# Altium PCB PCB.PcbDoc (continued)
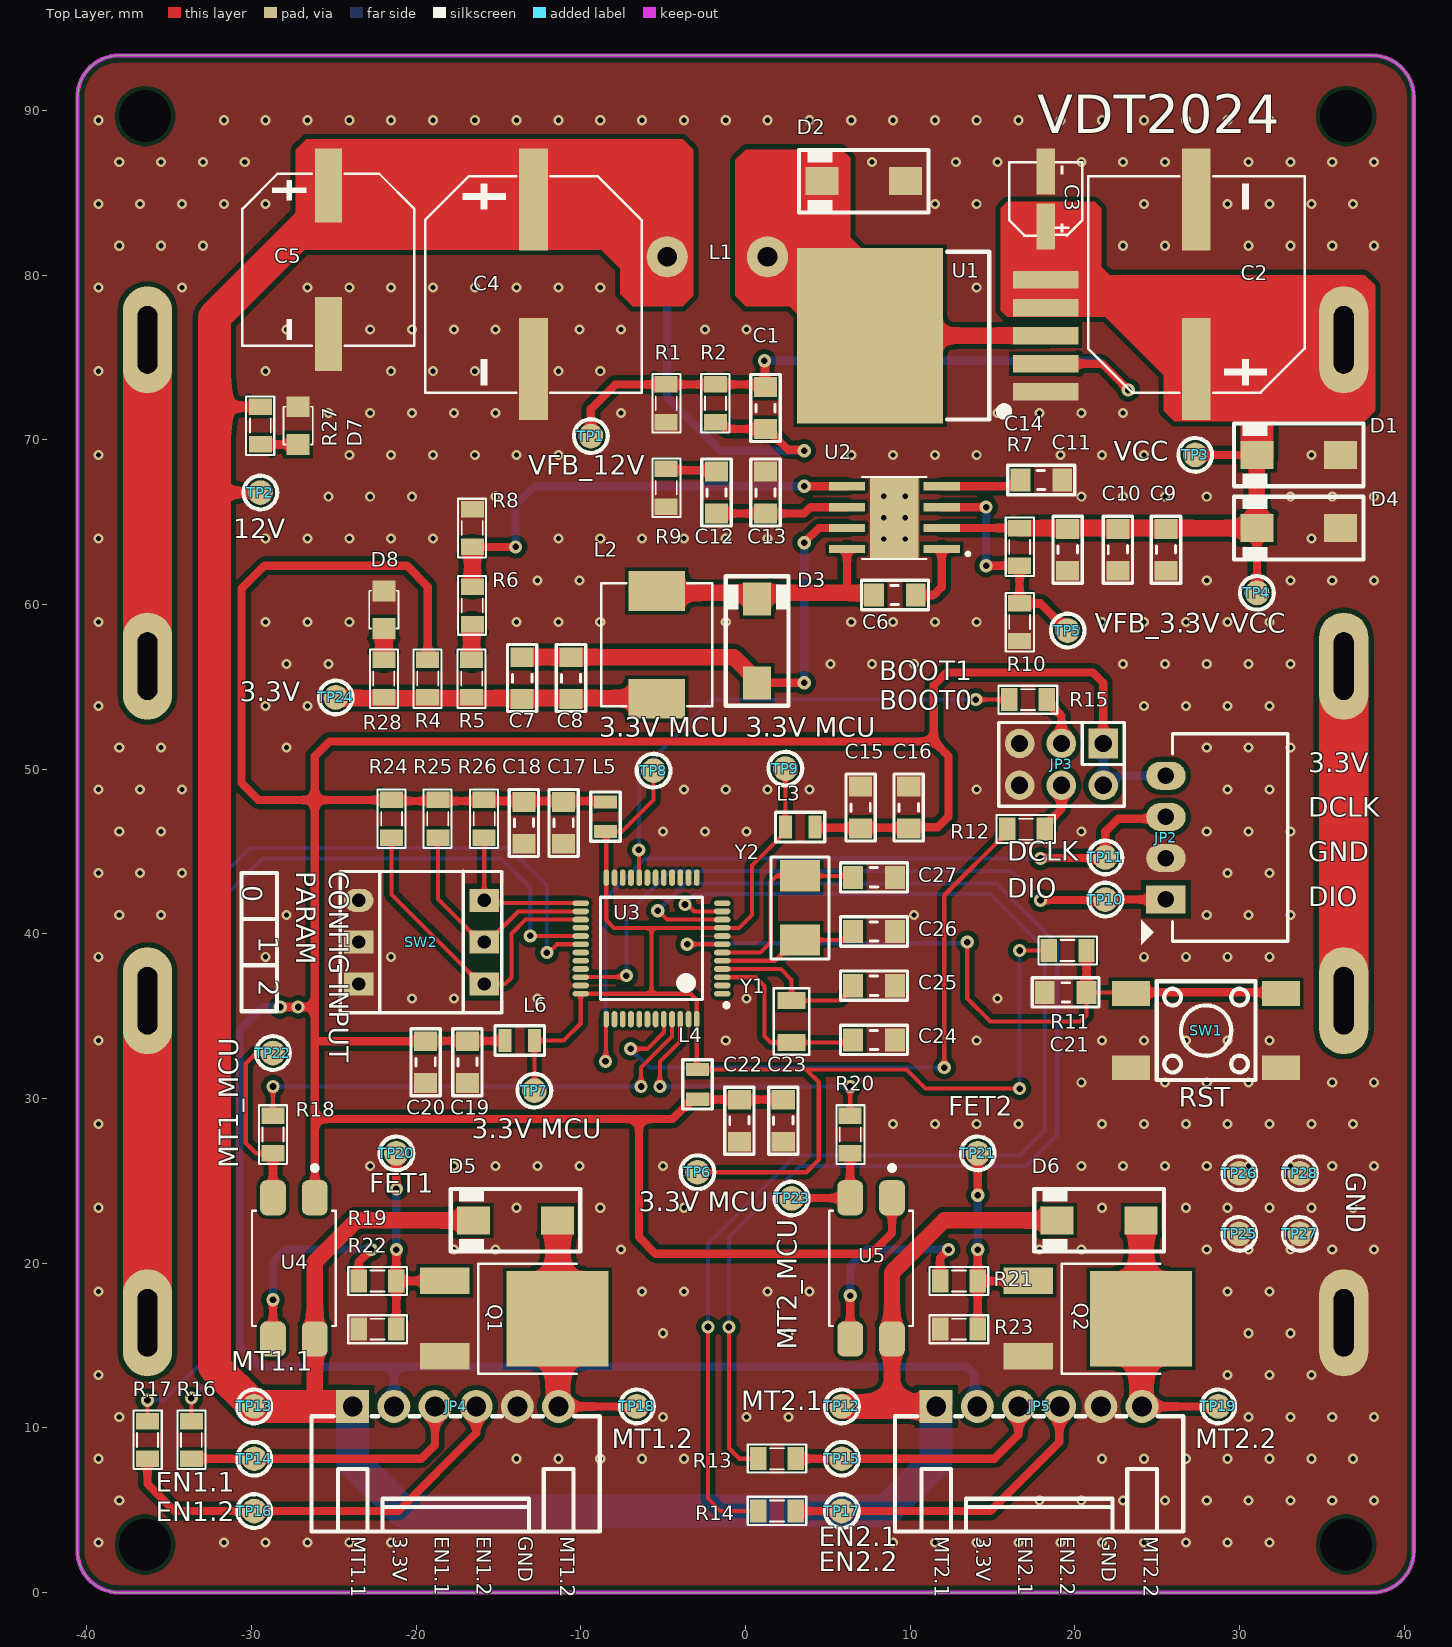
[diagram p0: Top Layer view]
## Part data
C1: library part C0805_MLCC_33pF_50V, "33 pF ±10% 50V Ceramic Capacitor C0G, NP0 0805 (2012 Metric)", Manufacture Part Number=C0805C330K5GAC7800, Manufacturer=KEMET, Link=https://www.digikey.com/en/products/detail/kemet/C0805C330K5GAC7800/2212525, Packaging="Cut Tape (CT)", Price=$0.10, Size=0805
C2 C4: library part C_ALU_470uF_50V, "470uF 50V ±20% SMD,D12.5xL13.5mm Aluminum Electrolytic Capacitors - SMD ROHS", Manufacture Part Number=VT1H471MI135000CE0, Manufacturer="Changzhou Huawei Elec", Link=https://www.lcsc.com/product-detail/Aluminum-Electrolytic-Capacitors-SMD_Changzhou-Huawei-Elec-VT1H471MI135000CE0_C191227.html, Price="$ 0.36"
C3: library part C_ALU_1uF_50V_B, "1uF 50V 7mA@120Hz ±20% SMD,D4xL5.4mm Aluminum Electrolytic Capacitors - SMD ROHS", Manufacture Part Number=RST1UF50V017, Manufacturer=KNSCHA, Link=https://www.lcsc.com/product-detail/Aluminum-Electrolytic-Capacitors-SMD_KNSCHA-RST1UF50V017_C4747972.html, Packaging="Cut Tape", Price="$ 0.0209"
C5: library part C_ALU_220uF_50V_G, "220uF 50V 220mA@120Hz ±20% SMD,D10xL10.5mm Aluminum Electrolytic Capacitors - SMD ROHS", Manufacture Part Number=XT220UF50V90RV0078, Manufacturer=KNSCHA, Link=https://www.lcsc.com/product-detail/Aluminum-Electrolytic-Capacitors-SMD_KNSCHA-XT220UF50V90RV0078_C2992609.html, Packaging="Cut Tape (CT)", Price="$ 0.1071"
C6 C15 C17 C19 C21 C22: library part C0805_MLCC_100nF_50V, "0.1 µF ±10% 50V Ceramic Capacitor X7R 0805 (2012 Metric)", Manufacture Part Number=CC0805KRX7R9BB104, Manufacturer=YAGEO, Link=https://www.digikey.cn/en/products/detail/yageo/CC0805KRX7R9BB104/302874, Packaging="Cut Tape (CT)", Price=$0.10, Size=0805
C7 C8: library part C0805_MLCC_47uF_16V, "47 µF ±10% 16V Ceramic Capacitor X5R 1210 (3225 Metric)", Manufacture Part Number=CL32A476KOJNNNE, Manufacturer="Samsung Electro-Mechanics", Link=https://www.digikey.cn/en/products/detail/samsung-electro-mechanics/CL32A476KOJNNNE/3889034, Packaging="Cut Tape (CT)", Price=$0.51, Size=0805
C9 C10: library part C0805_MLCC_4.7uF_50V, "4.7 µF ±10% 50V Ceramic Capacitor X5R 0805 (2012 Metric)", Manufacture Part Number=CL21A475KBQNNNE, Manufacturer="Samsung Electro-Mechanics", Link=https://www.digikey.cn/en/products/detail/samsung-electro-mechanics/CL21A475KBQNNNE/3886906, Packaging="Cut Tape (CT)", Price=$0.23, Size=0805
C11 C14: library part C0805_MLCC_10nF_50V, "10000 pF ±10% 50V Ceramic Capacitor X7R 0805 (2012 Metric)", Manufacture Part Number=CL21B103KBANNNC, Manufacturer="Samsung Electro-Mechanics", Link=https://www.digikey.cn/en/products/detail/samsung-electro-mechanics/CL21B103KBANNNC/3886673, Packaging="Cut Tape (CT)", Price=$0.10, Size=0805
C12: library part C0805_MLCC_1000pF_50V, "1000 pF ±10% 50V Ceramic Capacitor X7R 0805 (2012 Metric)", Manufacture Part Number=C0805C102K5RAC7800, Manufacturer=KEMET, Link=https://www.digikey.cn/en/products/detail/kemet/C0805C102K5RAC7800/411146, Packaging="Cut Tape (CT)", Price=$0.11, Size=0805
C13: library part C0805_MLCC_47pF_50V, "47 pF ±5% 50V Ceramic Capacitor C0G, NP0 0805 (2012 Metric)", Manufacture Part Number=CC0805JRNPO9BN470, Manufacturer=YAGEO, Link=https://www.digikey.cn/en/products/detail/yageo/CC0805JRNPO9BN470/302841, Packaging="Cut Tape (CT)", Price=$0.10, Size=0805
C16 C18 C20 C23: library part C0805_MLCC_1uF_50V, "1 µF ±10% 50V Ceramic Capacitor X7R 0805 (2012 Metric)", Manufacture Part Number=CL21B105KBFNNNG, Manufacturer="Samsung Electro-Mechanics", Link=https://www.digikey.cn/en/products/detail/samsung-electro-mechanics/CL21B105KBFNNNG/3894467, Packaging="Cut Tape (CT)", Price=$0.11, Size=0805
C24 C25: library part C0805_MLCC_100pF_50V, "100 pF ±5% 50V Ceramic Capacitor C0G, NP0 0805 (2012 Metric)", Manufacture Part Number=C0805C101J5GAC7800, Manufacturer=KEMET, Link=https://www.digikey.com/en/products/detail/kemet/C0805C101J5GAC7800/411121?s=N4IgTCBcDaIMIAYAcCCscCMCMClUHEBBOAdhQRAF0BfIA, Packaging="Cut Tape (CT)", Price=$0.11, Size=0805
C26 C27: library part C0805_MLCC_22pF_50V, "22 pF ±1% 250V Ceramic Capacitor C0G, NP0 0805 (2012 Metric)", Manufacture Part Number=600F220FT250XT, Manufacturer="KYOCERA AVX", Link=https://www.digikey.cn/en/products/detail/kyocera-avx/600F220FT250XT/3905100, Packaging="Cut Tape (CT)", Price=$2.26, Size=0805
D1 D2 D3 D4 D5 D6: "DIODE SCHOTTKY 40V 5A SMA", Current=5A, DC Voltage=40V, Manufacturer=EVVO, Link=https://www.digikey.cn/en/products/detail/evvo/SS54/21407219, Manufacture Part Number=SS54, Packaging="Cut Tape (CT)", Price=$0.73
D7 D8: library part LED_0805_RED, "Red 625nm LED Indication - Discrete 2V 0805 (2012 Metric)", Manufacture Part Number=150080RS75000, Manufacturer="Würth Elektronik", Link=https://www.digikey.cn/en/products/detail/w%C3%BCrth-elektronik/150080RS75000/4489918, Packaging="Cut Tape (CT)", Price=$0.19
JP1: library part 18650_HLD_4P, "18650 Holder 4P", Link Shopee=https://linhkienchatluong.vn/de-pin---mu-pin/de-4-pin-18650-chan-han-mach-pcb_sp541_ct11852.aspx, VNese Price=17000
JP2: "1x4P 4P 1 2.5mm 4 Right-Angle Push-Pull,P=2.5mm Wire To Board Connector ROHS", Manufacturer="BOOMELE(Boom Precision Elec)", Link=https://www.lcsc.com/product-detail/Wire-To-Board-Connector_BOOMELE-Boom-Precision-Elec-XHB-4AW_C95476.html, Manufacture Part Number=XHB-4AW, Price="$ 0.0230"
JP3: library part JP2x3M, "Direct Insert 6P 2.54mm Double Row Black Plugin,P=2.54mm Pin Headers ROHS", Manufacture Part Number=2.54-2*3P, Manufacturer="BOOMELE(Boom Precision Elec)", Link=https://www.lcsc.com/product-detail/Pin-Headers_BOOMELE-Boom-Precision-Elec-2-54-2-3P_C65114.html, Packaging=Bulk, Price="$ 0.0289"
JP4 JP5: "1x6P 6P 1 2.5mm 6 Bend insert Push-Pull,P=2.5mm Wire To Board Connector ROHS", Manufacturer="BOOMELE(Boom Precision Elec)", Link=https://www.lcsc.com/product-detail/Wire-To-Board-Connector_BOOMELE-Boom-Precision-Elec-XHB-6AW_C66056.html, Manufacture Part Number=XHB-6AW, Price="$ 0.0334"
L1: library part L_33uH_3A, "Toroidal Coil Inductor 33uH 3A", Current=3A, Inductor=33uH, Link Shopee=https://linhkienchatluong.vn/cuon-cam-xuyen/cuon-cam-xuyen-33uh-3a_sp469_ct146.aspx, VNese Price=3200
L2: "2.9A 6.8uH ±30% SMD,7.5x7.5mm Power Inductors ROHS", Current=2.9A, Inductor=6.8uH, Manufacture Part Number=CYH74-6.8UH, Manufacturer="SHOU HAN", Link=https://www.lcsc.com/product-detail/Power-Inductors_SHOU-HAN-CYH74-6-8UH_C19268626.html, Price="$ 0.0674"
L3 L4 L5 L6: library part FR_120Ohms_100Mhz, Current=1.55A, Impedance @ Frequency="120 Ohms @ 100 MHz", Manufacture Part Number=BLM21PG121BH1D, Manufacturer="Murata Electronics", Link=https://www.digikey.cn/en/products/detail/murata-electronics/BLM21PG121BH1D/10702696, Packaging="Cut Tape (CT)", Price=$0.18, Size=0805
Q1 Q2: "650V 7A 1 N-Channel TO-252 MOSFETs ROHS", Current - Continuous Drain (Id) @ 25°C=7A, Drain to Source Voltage (Vdss)=650V, Manufacture Part Number=FDD8N50NZTM-VB, Manufacturer="VBsemi Elec", FET Type=N-Channel, Link=https://www.lcsc.com/product-detail/MOSFETs_VBsemi-Elec-FDD8N50NZTM-VB_C7525025.html, Packaging=Tube, Price="$ 0.57"
R1: library part R0805_2K, "2 kOhms ±1% 0.125W, 1/8W Chip Resistor 0805 (2012 Metric) Automotive AEC-Q200 Thick Film", Manufacture Part Number=ERJ-6ENF2001V, Manufacturer="Panasonic Electronic Components", Link=https://www.digikey.com/en/products/detail/panasonic-electronic-components/ERJ-6ENF2001V/111341, Packaging="Cut Tape (CT)", Price=$0.10, Size=0805
R2: library part R0805_28K, "28 kOhms ±1% 0.125W, 1/8W Chip Resistor 0805 (2012 Metric) Moisture Resistant Thick Film", Manufacture Part Number=RC0805FR-0728KL, Manufacturer=YAGEO, Link=https://www.digikey.com/en/products/detail/yageo/RC0805FR-0728KL/727788, Packaging="Cut Tape (CT)", Price=$0.10, Size=0805
R4 R5 R13 R14 R16 R17: library part R0805_0R, "0 Ohms Jumper Chip Resistor 0805 (2012 Metric) Automotive AEC-Q200 Thick Film", Manufacture Part Number=CRCW08050000Z0EA, Manufacturer="Vishay Dale", Link=https://www.digikey.cn/en/products/detail/vishay-dale/CRCW08050000Z0EA/1175125, Packaging="Cut Tape (CT)", Price=$0.10, Size=0805
R6: library part R0805_10.2K, "10.2 kOhms ±1% 0.125W, 1/8W Chip Resistor 0805 (2012 Metric) Moisture Resistant Thick Film", Manufacture Part Number=RC0805FR-0710K2L, Manufacturer=YAGEO, Link=https://www.digikey.cn/en/products/detail/yageo/RC0805FR-0710K2L/727538, Packaging="Cut Tape (CT)", Price=$0.10, Size=0805
R7: library part R0805_332K, "332 kOhms ±1% 0.125W, 1/8W Chip Resistor 0805 (2012 Metric) Moisture Resistant Thick Film", Manufacture Part Number=RC0805FR-07332KL, Manufacturer=YAGEO, Link=https://www.digikey.cn/en/products/detail/yageo/RC0805FR-07332KL/727869, Packaging="Cut Tape (CT)", Price=$0.10, Size=0805
R8: library part R0805_3.24K, "3.24 kOhms ±1% 0.125W, 1/8W Chip Resistor 0805 (2012 Metric) Moisture Resistant Thick Film", Manufacture Part Number=RC0805FR-073K24L, Manufacturer=YAGEO, Link=https://www.digikey.cn/en/products/detail/yageo/RC0805FR-073K24L/727811, Packaging="Cut Tape (CT)", Price=$0.10, Size=0805
R9: library part R0805_29.4K, "29.4 kOhms ±1% 0.125W, 1/8W Chip Resistor 0805 (2012 Metric) Moisture Resistant Thick Film", Manufacture Part Number=RC0805FR-0729K4L, Manufacturer=YAGEO, Link=https://www.digikey.cn/en/products/detail/yageo/RC0805FR-0729K4L/727796, Packaging="Cut Tape (CT)", Price=$0.10, Size=0805
R10: library part R0805_68.1K, "68.1 kOhms ±1% 0.125W, 1/8W Chip Resistor 0805 (2012 Metric) Moisture Resistant Thick Film", Manufacture Part Number=RC0805FR-0768K1L, Manufacturer=YAGEO, Link=https://www.digikey.cn/en/products/detail/yageo/RC0805FR-0768K1L/728100?s=N4IgTCBcDaIEoGEAMAOJBWAYnAtEg7AGwoDSAjADIgC6AvkA, Packaging="Cut Tape (CT)", Price=$0.10, Size=0805
R11 R19 R21 R22 R23 R24 R25 R26: library part R0805_10K, "10 kOhms ±1% 0.125W, 1/8W Chip Resistor 0805 (2012 Metric) Moisture Resistant Thick Film", Manufacture Part Number=RC0805FR-0710KL, Manufacturer=YAGEO, Link=https://www.digikey.cn/en/products/detail/yageo/RC0805FR-0710KL/727535, Packaging="Cut Tape (CT)", Price=$0.10, Size=0805
R12 R15: library part R0805_100K, "100 kOhms ±1% 0.125W, 1/8W Chip Resistor 0805 (2012 Metric) Moisture Resistant Thick Film", Manufacture Part Number=RC0805FR-07100KL, Manufacturer=YAGEO, Link=https://www.digikey.cn/en/products/detail/yageo/RC0805FR-07100KL/727544, Packaging="Cut Tape (CT)", Price=$0.10, Size=0805
R18 R20: library part R0805_220R, "220 Ohms ±1% 0.125W, 1/8W Chip Resistor 0805 (2012 Metric) Automotive AEC-Q200, Moisture Resistant Thick Film", Manufacture Part Number=CRGCQ0805F220R, Manufacturer="TE Connectivity Passive Product", Link=https://www.digikey.cn/en/products/detail/te-connectivity-passive-product/CRGCQ0805F220R/8576343, Packaging="Cut Tape (CT)", Price=$0.10, Size=0805
R27 R28: library part R0805_1K, "1 kOhms ±1% 0.125W, 1/8W Chip Resistor 0805 (2012 Metric) Moisture Resistant Thick Film", Manufacture Part Number=311-1.00KCRCT-ND, Manufacturer=YAGEO, Link=https://www.digikey.com/en/products/detail/yageo/RC0805FR-071KL/727444, Packaging="Cut Tape (CT)", Price=$0.10, Size=0805
SW1: library part SW_SMD_6X6X7, "不带 6mm 7mm 50mA Round Button Brick nogging SPST 6mm 8万次 12V SMD Tactile Switches ROHS", Manufacture Part Number=KH-6X6X7H-STM, Manufacturer="Shenzhen Kinghelm Elec", Link=https://www.lcsc.com/product-detail/Tactile-Switches_Shenzhen-Kinghelm-Elec-KH-6X6X7H-STM_C2837533.html, Price="$ 0.0185"
SW2: "Dip Switch SPST 3 Position Through Hole Slide (Standard) Actuator 25mA 24VDC", Manufacture Part Number=KG03E, Manufacturer="CIT Relay and Switch", Link=https://www.digikey.cn/en/products/detail/cit-relay-and-switch/KG03E/15294176, Packaging=Tube, Price=$0.65
TP1 TP2 TP3 TP4 TP5 TP6 TP7 TP8 TP9 TP10 TP11 TP12 TP13 TP14 TP15 TP16 TP17 TP18 TP19 TP20 TP21 TP22 TP23 TP24 TP25 TP26 TP27 TP28: library part TEST_POINT
U1: "Step-down type 800mV~30V 5A 5V~32V TO-263-5 DC-DC Converters ROHS", Manufacturer=XLSEMI, Link=https://www.lcsc.com/product-detail/DC-DC-Converters_XLSEMI-XL4005E1_C73332.html, Manufacture Part Number=XL4005E1, Price=$0.68
U2: "Buck Switching Regulator IC Positive Adjustable 0.8V 1 Output 3A 8-PowerSOIC (0.154\", 3.90mm Width)", Manufacturer="Texas Instruments", Link=https://www.digikey.cn/en/products/detail/texas-instruments/TPS54331DDAR/3053257, Manufacture Part Number=TPS54331DDAR, Packaging="Cut Tape", Price=$1.88
U3: "ARM® Cortex®-M3 STM32F1 Microcontroller IC 32-Bit Single-Core 72MHz 64KB (64K x 8) FLASH", Manufacturer=STMicroelectronics, Link=https://www.digikey.cn/en/products/detail/stmicroelectronics/STM32F103C8T6/1646338, Manufacture Part Number=STM32F103C8T6, Packaging=Tray, Price=$6.11
U4 U5: library part PC817_SMD, "Optoisolator Transistor Output 5000Vrms 1 Channel 4-SMD", Manufacture Part Number=APC-817C1-SL, Manufacturer="American Bright Optoelectronics Corporation", Link=https://www.digikey.cn/en/products/detail/american-bright-optoelectronics-corporation/APC-817C1-SL/16273175, Packaging="Cut Tape (CT)", Price=$0.43
Y1: library part 3215_2P_32.768KHz, "32.768kHz Surface Mount Crystal 12.5pF ±20ppm SMD3215-2P Crystals ROHS", Manufacture Part Number=TCXM32768K2NGDCZT2T, Manufacturer=Yajingxin, Link=https://www.lcsc.com/product-detail/Crystals_Yajingxin-TCXM32768K2NGDCZT2T_C145167.html, Link Shopee=https://linhkien.cxt.vn/2947-fc-135-thach-anh-32768khz-125pf-3215.html, Packaging="Cut Tape", Price="$ 0.1930", VNese Price=4700
Y2: library part 5032_2P_8MHz, "8MHz  20pF ±30ppm ±30ppm SMD5032 Crystals ROHS", Manufacture Part Number=XSHEELNANF-16MHZ, Manufacturer="TAITIEN Elec", Link=https://www.lcsc.com/product-detail/Crystals_TAITIEN-Elec-XSHEELNANF-8MHZ_C242219.html, Link Shopee=https://linhkien.cxt.vn/1388-thach-anh-5032-2-chan-dan.html, Packaging="Cut Tape", Price="$ 0.3251", VNese Price=4400

## Free pads (board coordinates)
  round 1.524 hole 3.15: 8(-36.468,2.921) 8(-36.468,89.662) 8(36.47,2.921) 8(36.47,89.662)

## Via types
v1: diameter 0.61, hole 0.31, Top Layer to Bottom Layer, 349 vias
v2: diameter 0.8, hole 0.4, Top Layer to Bottom Layer, 43 vias

## Nets (pads, with @x,y where several pads share a name; then routed paths per layer and width w, separated by ;. In a path a pad name is that pad's centre, name@x,y a point inside that pad or via, vN(x,y) a via of type N, cw(c..) or ccw(c..) an arc to the next point about the centre after c; other vN are vias at no path point)
3.3V: C15.2 C16.2 C17.2 C18.2 C19.2 C20.2 C22.2 C23.2 JP2.4 JP3.1 JP3.2 JP4.2 JP5.2 L3.2 L4.2 L5.2 L6.2 R4.1 R24.1 R25.1 R26.1 U4.1 U5.1 | length 295.3
  Top Layer w0.254: C23.2@2.246,29.961 C23.2
  Top Layer w0.5: v2(-28.258,35.56) v2(-27.178,35.56) -26.162,35.56 ; U4.1 -26.162,28.751 ; R4.1 -19.304,61.087 -20.574,62.357 -29.21,62.357 -30.607,60.96 -30.607,49.149 -29.591,48.133 -26.162,48.133 ; L6.2 -14.641,33.503 -19.406,33.503 C20.2 -26.111,33.477 -26.162,33.528 ; L5.2 -8.567,48.075 -21.443,48.075 R24.1 -26.162,48.133 ; C23.2@2.246,29.961 2.226,29.941 -2.901,29.941 L4.2 -3.221,29.961 -4.43,28.751 -6.477,28.751 ; L3.2 4.251,46.444 9.792,46.444 9.83,46.482 11.684,46.482 12.319,47.117 12.319,50.8 11.43,51.689 ; U5.1 8.89,21.844 7.62,20.574 -5.461,20.574 -6.477,21.59 -6.477,28.751 ; JP3.1 21.717,55.245 21.082,55.88 12.192,55.88 11.43,55.118 11.43,51.689 ; -26.162,28.751 -6.477,28.751 ; -26.162,28.751 -26.162,33.528 ; -26.162,33.528 -26.162,35.56 ; -26.162,35.56 -26.162,48.133 ; -26.162,48.133 -26.162,50.8 -25.273,51.689 11.43,51.689
  Bottom Layer w0.5: v2(-27.178,35.56) -27.185,35.553 -29.344,35.553 -30.734,34.163 -30.734,14.986 -29.464,13.716 -21.336,13.716 ; JP4.2 -21.336,11.326 -21.336,13.716 ; JP5.2 13.882,11.494 13.882,13.257 13.423,13.716 -21.336,13.716 ; JP3.1 JP3.2 22.069,49.022 22.649,49.602 JP2.4
3.3V_MCU: L3.1 L4.1 L5.1 L6.1 R11.2 TP6.1 TP7.1 TP8.1 TP9.1 U3.9 U3.24 U3.36 U3.48 | length 97.2
  Top Layer w0.254: TP7.1 -12.827,33.517 L6.1 -11.049,33.528 -10.011,34.566 U3.36 -5.715,36.366 ; TP8.1 -5.588,48.133 -7.504,46.217 L5.1 -8.465,46.173 U3.24 -8.465,40.85 -7.981,40.366 -5.715,40.366 ; TP6.1 3.683,25.527 4.445,26.289 4.445,30.988 3.672,31.761 ; TP9.1 L3.1 2.413,46.182 0.381,44.15 0.381,41.148 -0.401,40.366 U3.9 -5.715,40.366 ; v2(16.637,30.607) 10.922,30.607 9.768,31.761 3.672,31.761 ; v2(16.637,38.989) R11.2 ; -5.715,36.366 -3.346,36.366 -2.965,35.985 U3.48 -2.965,31.805 L4.1 3.672,31.761 ; -5.715,36.366 -5.715,40.366
  Bottom Layer w0.254: v2(16.637,30.607) v2(16.637,38.989)
BOOT0: JP3.4 R12.1 | length 3.1
  Top Layer w0.5: R12.1 18.161,46.553 19.177,47.569 JP3.4
BOOT1: JP3.3 R15.2 | length 3.1
  Top Layer w0.5: R15.2 18.288,54.031 18.538,53.78 18.625,53.78 19.177,53.229 JP3.3
CFIG0: R26.2 SW2.6 U3.25 | length 9.7
  Top Layer w0.254: R26.2 SW2.6 -15.704,41.866 U3.25
CFIG1: R25.2 SW2.5 U3.26 | length 14.3
  Top Layer w0.254: R25.2 -18.688,42.11 -16.075,39.497 SW2.5 -15.675,39.497 -13.806,41.366 U3.26
CFIG2: R24.2 SW2.4 U3.27 | length 20.4
  Top Layer w0.254: R24.2 -21.501,42.383 -16.075,36.957 -14.605,36.957 -14.224,37.338 -14.224,40.005 -13.363,40.866 U3.27
DCLK: JP2.3 TP11.1 U3.37 | length 49.5
  Top Layer w0.254: v2(-8.509,32.258) -8.483,32.284 -8.483,34.802 U3.37
  Top Layer w0.5: v2(17.907,44.577) 17.939,44.609 21.813,44.609 TP11.1 21.845,46.229 22.606,46.99 25.417,46.99 JP2.3
  Bottom Layer w0.254: v2(-8.509,32.258) -8.509,42.164 -6.096,44.577 v2(17.907,44.577)
DIO: JP2.1 TP10.1 U3.34 | length 41.1
  Top Layer w0.254: U3.34 -9.993,37.384 -7.32,37.384 v2(-7.239,37.465)
  Top Layer w0.5: v2(17.907,42.037) 17.931,42.061 21.821,42.061 TP10.1 25.516,42.085 JP2.1
  Bottom Layer w0.254: v2(-7.239,37.465) -7.239,41.148 -4.572,43.815 16.129,43.815 v2(17.907,42.037)
EN1.1: JP4.3 R16.1 TP14.1 | length 17.5
  Top Layer w0.5: R16.1 TP14.1 -19.685,8.128 -18.86,8.954 JP4.3
EN1.2: JP4.4 R17.1 TP16.1 | length 25.8
  Top Layer w0.5: R17.1 -36.322,6.604 -34.671,4.953 TP16.1 -21.082,4.953 -16.359,9.676 JP4.4
EN2.1: JP5.3 R13.1 TP15.1 | length 15.8
  Top Layer w0.5: R13.1 TP15.1 15.113,8.128 16.573,9.588 JP5.3
EN2.2: JP5.4 R14.1 TP17.1 | length 20.1
  Top Layer w0.5: R14.1@3.048,4.755 R14.1 TP17.1 14.859,4.953 19.05,9.144 19.05,11.279 JP5.4
GND: C2.2 C3.2 C4.2 C5.2 C9.1 C10.1 C11.1 C13.1 C14.1 C15.1 C16.1 C17.1 C18.1 C19.1 C20.1 C21.1 C22.1 C23.1 C24.1 C25.1 C26.1 C27.1 D1.A D2.A D4.A D7.2 D8.2 JP1.4 JP2.2 JP3.5 JP3.6 JP4.5 JP5.5 Q1.3 Q2.3 R1.1 R8.1 R9.1 R10.1 R22.1 R23.1 SW1.1 SW1.2 SW2.1 SW2.2 SW2.3 TP25.1 TP26.1 TP27.1 TP28.1 U1.1 U2.9 U3.8 U3.23 U3.35 U3.47
  other v1: -39.306,3.048 -31.686,3.048 -29.146,3.048 -26.607,3.048 -24.066,3.048 -21.526,3.048 8.954,3.048 11.493,3.048 14.034,3.048 16.573,3.048 19.113,3.048 21.653,3.048 24.194,3.048 26.733,3.048 29.273,3.048 31.813,3.048 -38.036,5.588 17.843,5.588 20.383,5.588 22.924,5.588 25.463,5.588 28.003,5.588 30.543,5.588 33.084,5.588 35.623,5.588 38.163,5.588 -39.306,8.128 -13.906,8.128 -11.367,8.128 -8.826,8.128 -6.286,8.128 -3.746,8.128 21.653,8.128 24.194,8.128 26.733,8.128 29.273,8.128 31.813,8.128 34.353,8.128 36.893,8.128 -38.036,10.668 -5.016,10.668 0.064,10.668 2.603,10.668 30.543,10.668 33.084,10.668 35.623,10.668 38.163,10.668 -39.306,13.208 29.273,13.208 31.813,13.208 34.353,13.208 -5.016,15.748 2.603,15.748 30.543,15.748 33.084,15.748 -39.306,18.288 -6.286,18.288 -3.746,18.288 1.333,18.288 3.873,18.288 29.273,18.288 31.813,18.288 -17.716,20.828 -15.176,20.828 -7.556,20.828 17.843,20.828 20.383,20.828 28.003,20.828 30.543,20.828 33.084,20.828 35.623,20.828 38.163,20.828 -39.306,23.368 -13.906,23.368 -8.826,23.368 -3.746,23.368 21.653,23.368 26.733,23.368 29.273,23.368 31.813,23.368 34.353,23.368 36.893,23.368 -22.796,25.908 -17.716,25.908 -15.176,25.908 -12.636,25.908 -10.096,25.908 -5.016,25.908 20.383,25.908 22.924,25.908 25.463,25.908 28.003,25.908 30.543,25.908 33.084,25.908 35.623,25.908 38.163,25.908 -39.306,28.448 8.954,28.448 11.493,28.448 14.034,28.448 16.573,28.448 21.653,28.448 24.194,28.448 26.733,28.448 29.273,28.448 31.813,28.448 34.353,28.448 36.893,28.448 20.383,30.988 25.463,30.988 28.003,30.988 30.543,30.988 35.623,30.988 38.163,30.988 -39.306,33.528 -1.206,33.528 14.034,33.528 21.653,33.528 24.194,33.528 26.733,33.528 29.273,33.528 31.813,33.528 -20.256,36.068 -17.716,36.068 -12.636,36.068 0.064,36.068 15.303,36.068 -39.306,38.608 -29.146,38.608 -21.526,38.608 24.194,38.608 26.733,38.608 29.273,38.608 31.813,38.608 -38.036,41.148 -35.496,41.148 -27.877,41.148 10.223,41.148 28.003,41.148 30.543,41.148 33.084,41.148 -39.306,43.688 -36.767,43.688 -34.227,43.688 29.273,43.688 31.813,43.688 -38.036,46.228 -35.496,46.228 -5.016,46.228 -2.476,46.228 0.064,46.228 20.383,46.228 28.003,46.228 30.543,46.228 33.084,46.228 -39.306,48.768 -36.767,48.768 -34.227,48.768 -3.746,48.768 -1.206,48.768 1.333,48.768 3.873,48.768 14.034,48.768 29.273,48.768 31.813,48.768 -38.036,51.308 -35.496,51.308 -27.877,51.308 28.003,51.308 30.543,51.308 33.084,51.308 -39.306,53.848 -29.146,53.848 -26.607,53.848 24.194,53.848 26.733,53.848 29.273,53.848 31.813,53.848 -27.877,56.388 -25.336,56.388 5.143,56.388 7.683,56.388 10.223,56.388 22.924,56.388 25.463,56.388 28.003,56.388 30.543,56.388 33.084,56.388 -39.306,58.928 -29.146,58.928 -26.607,58.928 -24.066,58.928 -13.906,58.928 -11.367,58.928 -8.826,58.928 -1.206,58.928 6.413,58.928 8.954,58.928 11.493,58.928 14.034,58.928 21.653,58.928 24.194,58.928 26.733,58.928 29.273,58.928 31.813,58.928 -12.636,61.468 -10.096,61.468 28.003,61.468 33.084,61.468 35.623,61.468 38.163,61.468 -39.306,64.008 -29.146,64.008 -26.607,64.008 -24.066,64.008 -21.526,64.008 -18.986,64.008 -11.367,64.008 -8.826,64.008 -6.286,64.008 -3.746,64.008 -1.206,64.008 1.333,64.008 34.353,64.008 -25.336,66.548 -22.796,66.548 -20.256,66.548 -15.176,66.548 20.383,66.548 22.924,66.548 25.463,66.548 28.003,66.548 33.084,66.548 35.623,66.548 38.163,66.548 -39.306,69.088 -24.066,69.088 -21.526,69.088 -18.986,69.088 -16.447,69.088 -13.906,69.088 -11.367,69.088 6.413,69.088 8.954,69.088 11.493,69.088 14.034,69.088 19.113,69.088 21.653,69.088 24.194,69.088 34.353,69.088 -25.336,71.628 -22.796,71.628 -20.256,71.628 -17.716,71.628 -15.176,71.628 -7.556,71.628 15.303,71.628 17.843,71.628 20.383,71.628 22.924,71.628 -39.306,74.168 -29.146,74.168 -21.526,74.168 -18.986,74.168 -16.447,74.168 -11.367,74.168 -8.826,74.168 -27.877,76.708 -22.796,76.708 -20.256,76.708 -17.716,76.708 -15.176,76.708 -10.096,76.708 -7.556,76.708 -2.476,76.708 0.064,76.708 -39.306,79.248 -34.227,79.248 -26.607,79.248 -24.066,79.248 -21.526,79.248 -18.986,79.248 -16.447,79.248 -13.906,79.248 -11.367,79.248 -8.826,79.248 14.034,79.248 -38.036,81.788 -35.496,81.788 -32.956,81.788 22.924,81.788 25.463,81.788 30.543,81.788 33.084,81.788 35.623,81.788 38.163,81.788 -39.306,84.328 -36.767,84.328 -34.227,84.328 -31.686,84.328 -29.146,84.328 11.493,84.328 14.034,84.328 24.194,84.328 29.273,84.328 31.813,84.328 34.353,84.328 36.893,84.328 -38.036,86.868 -35.496,86.868 -32.956,86.868 -30.416,86.868 7.683,86.868 12.763,86.868 15.303,86.868 20.383,86.868 22.924,86.868 25.463,86.868 30.543,86.868 33.084,86.868 35.623,86.868 38.163,86.868 -39.306,89.408 -31.686,89.408 -29.146,89.408 -26.607,89.408 -24.066,89.408 -21.526,89.408 -18.986,89.408 -16.447,89.408 -13.906,89.408 -11.367,89.408 -8.826,89.408 -6.286,89.408 -3.746,89.408 -1.206,89.408 1.333,89.408 3.873,89.408 6.413,89.408 8.954,89.408 11.493,89.408 14.034,89.408 16.573,89.408 19.113,89.408 21.653,89.408 24.194,89.408 26.733,89.408 29.273,89.408 31.813,89.408
MT1.1: C1.2 C4.1 C5.1 D5.C D6.C JP4.1 JP5.1 L1.2 R2.2 R27.1 TP2.1 TP12.1 TP13.1 U4.4 U5.4 | length 203.1
  Top Layer w0.5: -32.258,66.802 TP2.1 ; -32.258,72.009 R27.1 ; R2.2 -1.63,71.08 -1.212,70.663 C1.2 1.306,70.663 2.57,69.399 3.499,69.399 v2(3.556,69.342)
  Top Layer w1: -26.289,11.303 -26.162,11.43 U4.4 -26.162,20.066 -23.622,22.606 D5.C ; 8.89,11.303 U5.4 8.89,19.431 12.065,22.606 D6.C
  Top Layer w1.5: TP12.1 8.89,11.303 JP5.1
  Top Layer w2: C5.1 -25.336,84.36 -32.258,77.439 -32.258,72.009 -32.258,66.802 -32.258,13.716 TP13.1 -26.289,11.303 JP4.1
  Bottom Layer w0.5: L1.2 -4.763,72.581 -1.524,69.342 v2(3.556,69.342)
  Bottom Layer w2: JP4.1 -23.859,7.984 -20.828,4.953 8.509,4.953 11.574,8.018 JP5.1
MT1.2: D5.A JP4.6 Q1.2 TP18.1 | length 16.1
  Top Layer w0.5: JP4.6 TP18.1
  Top Layer w1.5: D5.A -11.395,22.571 -11.395,11.338 JP4.6
MT1_MCU: R18.2 U3.45 | length 29
  Top Layer w0.254: R18.2 v2(-28.702,30.734) ; v2(-6.35,30.734) -6.35,31.877 -4.465,33.762 U3.45
  Bottom Layer w0.254: v2(-28.702,30.734) v2(-6.35,30.734)
MT2.2: D6.A JP5.6 Q2.2 TP19.1 | length 16
  Top Layer w0.5: JP5.6 TP19.1
  Top Layer w1.5: D6.A 24.04,22.573 24.04,11.336 JP5.6
MT2_MCU: R20.2 U3.46 | length 17.9
  Top Layer w0.254: v2(-5.207,30.734) -5.207,32.258 -3.965,33.5 U3.46 ; R20.2 v2(6.35,30.734)
  Bottom Layer w0.254: v2(-5.207,30.734) v2(6.35,30.734)
NetC1_1: C1.1 R1.2 R2.1 TP1.1 U1.2 | length 43
  Top Layer w0.5: TP1.1 -9.398,71.882 -7.914,73.366 R1.2 R2.1 1.043,73.366 C1.1@1.175,73.235 ; v2(1.143,74.803) 1.175,74.771 C1.1@1.175,73.235 ; C1.1 C1.1@1.175,73.235 ; U1.2 21.639,74.627 v2(23.241,73.025)
  Bottom Layer w0.5: v2(1.143,74.803) 21.463,74.803 v2(23.241,73.025)
NetC6_1: C6.1 U2.1 | length 4.1
  Top Layer w0.5: C6.1 11.43,60.579 11.907,61.056 U2.1
NetC6_2: C6.2 D3.C L2.1 U2.8 | length 16
  Top Layer w0.5: U2.8 6.157,60.772 6.223,60.706
  Top Layer w1: L2.1 -5.271,60.706 6.223,60.706 7.698,60.706 7.798,60.606 C6.2
NetC7_1: C7.1 C8.1 D3.A U2.7 | length 29.4
  Top Layer w0.5: D3.A@0.699,55.391 0.845,55.245 v2(3.556,55.245) ; v2(3.556,63.754) 4.445,64.643 U2.7
  Top Layer w1: C7.1 C8.1 -0.716,56.805 0.699,55.391 D3.A
  Bottom Layer w0.5: v2(3.556,55.245) v2(3.556,63.754)
NetC7_2: C7.2 C8.2 L2.2 R4.2 R5.2 R28.1 TP24.1 | length 19.5
  Top Layer w1: TP24.1 -24.853,54.317 -5.437,54.317 L2.2
NetC12_1: C12.1 R9.2 | length 3.1
  Top Layer w0.5: R9.2 -4.744,68.154 -1.848,68.154 C12.1
NetC12_2: C12.2 C13.2 U2.6 | length 8.1
  Top Layer w0.5: C12.2 C13.2 3.556,65.532 3.937,65.913 U2.6
NetC14_2: C14.2 U2.4 | length 5
  Top Layer w0.5: U2.4 16.338,67.183 16.688,67.533 C14.2
NetC21_2: C21.2 R11.1 SW1.3 SW1.4 U3.7 | length 46.5
  Top Layer w0.254: v2(-3.556,39.37) -3.554,39.368 -1.421,39.368 U3.7 ; v2(13.462,39.497) 13.462,36.068 14.859,34.671 20.32,34.671 20.701,35.052 C21.2 23.368,36.449 23.368,36.421 SW1.4
  Top Layer w0.5: C21.2 R11.1 ; SW1.4@23.368,36.449 32.44,36.449 SW1.3
  Bottom Layer w0.254: v2(-3.556,39.37) -3.492,39.433 13.399,39.433 v2(13.462,39.497)
NetC24_2: C24.2 U3.3 Y1.1 | length 11.4
  Top Layer w0.254: U3.3 0.607,37.366 1.143,36.83 1.143,33.782 1.524,33.401 Y1.1 6.369,33.401 C24.2
NetC25_2: C25.2 U3.4 Y1.2 | length 9.9
  Top Layer w0.254: U3.4 2.139,37.866 2.794,37.211 Y1.2 5.727,35.951 6.528,36.751 C25.2
NetC26_2: C26.2 U3.5 Y2.1 | length 8.7
  Top Layer w0.254: U3.5 1.794,38.366 3.052,39.624 Y2.1 6.055,39.624 6.528,40.097 C26.2
NetC27_2: C27.2 U3.6 Y2.2 | length 12.1
  Top Layer w0.254: U3.6 0.893,38.866 1.524,39.497 1.524,43.18 1.868,43.524 Y2.2 6.438,43.524 C27.2
NetD2_C: D2.C L1.1 U1.3 U1.6 | length 10.7
  Top Layer w1: U1.6 U1.3
NetD7_1: D7.1 R27.2 | length 2.3
  Top Layer w0.5: R27.2 D7.1
NetD8_1: D8.1 R28.2 | length 1.9
  Top Layer w1: R28.2 D8.1
NetJP1_2: JP1.2 JP1.3 | length 40.6
  Top Layer w3: JP1.3 JP1.2
  Bottom Layer w3: JP1.3 JP1.2
NetJP1_5: JP1.5 JP1.6 | length 39.6
  Top Layer w3: JP1.6 JP1.5
  Bottom Layer w3: JP1.6 JP1.5
NetJP1_7: JP1.7 JP1.8 | length 39.1
  Top Layer w3: JP1.8 JP1.7
  Bottom Layer w3: JP1.8 JP1.7
NetQ1_1: Q1.1 R19.2 R22.2 TP20.1 | length 13.6
  Top Layer w0.5: R22.2 R19.2 ; v2(-21.209,20.828) R19.2 ; v2(-21.209,24.511) TP20.1 ; Q1.1 -18.282,18.923 R19.2
  Bottom Layer w0.5: v2(-21.209,20.828) v2(-21.209,24.511)
NetQ2_1: Q2.1 R21.2 R23.2 TP21.1 | length 13.7
  Top Layer w0.5: R23.2 R21.2 ; v2(14.097,20.828) R21.2 ; v2(14.097,24.13) TP21.1 ; Q2.1 17.151,18.923 R21.2
  Bottom Layer w0.5: v2(14.097,20.828) v2(14.097,24.13)
NetR5_1: R5.1 R6.2 | length 2.2
  Top Layer w1: R5.1 -16.637,58.801 R6.2
NetR6_1: R6.1 R8.2 U2.5 | length 28.2
  Top Layer w0.5: R8.2 v2(-13.97,63.5) ; v2(3.556,67.183) U2.5
  Top Layer w1: R6.1 R8.2
  Bottom Layer w0.5: v2(-13.97,63.5) -13.97,66.04 -12.827,67.183 v2(3.556,67.183)
NetR7_1: R7.1 R10.2 TP5.1 U2.3 | length 14.2
  Top Layer w0.5: U2.3 v2(14.605,65.913) ; v2(14.605,62.357) R7.1 R10.2 17.907,60.071 TP5.1
  Bottom Layer w0.5: v2(14.605,62.357) v2(14.605,65.913)
NetR12_2: R12.2 U3.44 | length 38.8
  Top Layer w0.254: v2(-6.985,33.02) -5.969,33.02 -4.965,34.024 U3.44 ; v2(12.065,31.877) 12.065,42.346 15.875,46.157 R12.2
  Bottom Layer w0.254: v2(-6.985,33.02) -5.842,31.877 v2(12.065,31.877)
NetR13_2: R13.2 U3.10 | length 79.5
  Top Layer w0.254: v2(-5.334,41.402) -5.302,41.402 -4.766,40.866 U3.10 ; v2(-1.016,16.129) -1.016,8.763 -0.381,8.128 R13.2
  Bottom Layer w0.254: v2(-5.334,41.402) -3.683,43.053 15.24,43.053 18.923,39.37 18.923,27.813 17.018,25.908 3.302,25.908 -1.016,21.59 v2(-1.016,16.129)
NetR14_2: R14.2 U3.11 | length 79.1
  Top Layer w0.254: v2(-3.683,41.783) -3.535,41.783 -3.118,41.366 U3.11 ; v2(-2.286,16.129) -2.286,5.715 -1.524,4.953 R14.2
  Bottom Layer w0.254: v2(-3.683,41.783) -3.048,42.418 14.859,42.418 18.161,39.116 18.161,28.067 16.637,26.543 3.048,26.543 -2.286,21.209 v2(-2.286,16.129)
NetR15_1: R15.1 U3.20 | length 30.7
  Top Layer w0.254: v2(-6.488,45.1) -6.477,45.088 -6.477,43.424 U3.20 ; v2(13.97,54.229) R15.1
  Bottom Layer w0.254: v2(-6.488,45.1) -6.477,45.112 -6.477,49.784 -2.032,54.229 v2(13.97,54.229)
NetR16_2: R16.2 U3.29 | length 58.9
  Top Layer w0.254: R16.2 v2(-33.655,11.811) ; v2(-13.081,39.878) -13.069,39.866 U3.29
  Bottom Layer w0.254: v2(-33.655,11.811) -31.496,13.97 -31.496,42.418 -29.337,44.577 -14.859,44.577 -13.081,42.799 v2(-13.081,39.878)
NetR17_2: R17.2 U3.30 | length 63.3
  Top Layer w0.254: R17.2 v2(-36.322,11.684) ; v2(-12.065,38.862) -11.969,38.862 -11.465,39.366 U3.30
  Bottom Layer w0.254: v2(-36.322,11.684) -35.306,11.684 -32.258,14.732 -32.258,43.053 -30.099,45.212 -14.351,45.212 -12.065,42.926 v2(-12.065,38.862)
NetR18_1: R18.1 TP22.1 U4.2 | length 11.3
  Top Layer w0.254: R18.1 -29.718,26.67 -30.353,27.305 -30.353,32.131 -29.718,32.766 TP22.1
  Top Layer w0.5: U4.2 R18.1
NetR19_1: R19.1 U4.3 | length 13.2
  Top Layer w0.5: U4.3 v2(-28.702,17.78) ; R19.1 -23.495,20.066 v2(-22.733,20.828)
  Bottom Layer w0.5: v2(-28.702,17.78) -28.702,20.066 -27.94,20.828 v2(-22.733,20.828)
NetR20_1: R20.1 TP23.1 U5.2 | length 6.3
  Top Layer w0.5: TP23.1 2.816,23.953 6.328,23.953 U5.2 R20.1
NetR21_1: R21.1 U5.3 | length 12.9
  Top Layer w0.5: U5.3 v2(6.35,18.034) ; R21.1 11.811,20.32 v2(12.319,20.828)
  Bottom Layer w0.5: v2(6.35,18.034) 6.35,19.812 7.366,20.828 v2(12.319,20.828)
VCC: C2.1 C3.1 C9.2 C10.2 C11.2 D1.C D4.C JP1.1 R7.2 TP3.1 TP4.1 U1.4 U1.5 U2.2 | length 35.7
  Top Layer w0.5: U2.2 R7.2 ; TP3.1 D1.C ; D4.C 31.051,64.639 TP4.1
  Top Layer w1: R7.2 D4.C D1.C
  Top Layer w2: 30.988,73.533 31.048,73.473 D1.C
pads on no net: U3.1 U3.2 U3.12 U3.13 U3.14 U3.15 U3.16 U3.17 U3.18 U3.19 U3.21 U3.22 U3.28 U3.31 U3.32 U3.33 U3.38 U3.39 U3.40 U3.41 U3.42 U3.43

## Polygon pours and split planes (outlines as drawn)
GND on Bottom Layer "GND_L02_P001" (solid, pour order 1): -40.513,0 -40.513,93.218 40.64,93.218 40.64,0
GND on Top Layer "GND_L01_P000" (solid, pour order 0): 40.64,0 40.64,93.345 37.338,93.345 37.211,93.218 -40.513,93.218 -40.513,0 -40.513,93.218 -40.513,0

## Keep-outs
Keep-Out Layer:
  the board outline again, w0.254

## Other copper
Top Layer:
  region net MT1.1: -3.81,78.105 -3.175,78.74 -3.175,87.63 -3.81,88.265 -26.67,88.265 -27.305,87.63 -27.305,81.915 -26.924,81.534 -8.763,81.534 -7.62,80.391 -7.62,78.867 -6.858,78.105
  region net NetD2_C: 3.302,77.47 2.667,78.105 0,78.105 -0.635,78.74 -0.635,86.995 0,87.63 5.842,87.63 6.35,87.122 6.35,82.296 6.985,81.661 6.985,77.47
  region net VCC: 26.035,71.12 37.592,71.12 38.227,71.755 38.227,79.375 37.592,80.01 22.098,80.01 21.59,80.518 21.59,84.074 21.209,84.455 15.875,84.455 15.494,84.074 15.494,77.851 15.875,77.47 21.844,77.47 25.4,73.914 25.4,71.755

## Silkscreen, mask and mechanical layers (free items; w line width, h text height)
Top Overlay:
  lines w0.254: -30.607,38.1 -28.448,38.1 ; -30.607,40.894 -28.448,40.894 ; -30.607,35.306 -28.448,35.306 -28.448,43.688 -30.607,43.688 -30.607,35.306
  text "VDT2024" at 17.716,87.82 h4
  text "VCC" at 22.352,68.343 h2
  text "VFB_12V" at -13.208,67.488 h2
  text "12V" at -31.115,63.627 h2
  text "VFB_3.3V" at 21.209,57.885 h2
  text "VCC" at 29.464,57.885 h2
  text "BOOT1" at 8.128,55.008 h2
  text "3.3V" at -30.734,53.738 h2
  text "BOOT0" at 8.128,53.23 h2
  text "3.3V MCU" at -8.89,51.579 h2
  text "3.3V MCU" at 0,51.579 h2
  text "3.3V" at 34.163,49.42 h2
  text "DCLK" at 34.163,46.71 h2
  text "DCLK" at 15.875,44.043 h2
  text "GND" at 34.163,44.001 h2
  text "CONFIG INPUT / PARAM" at -27.686,43.815 h2 r270
  text "0" at -28.973,41.91 h2 r90
  text "DIO" at 15.875,41.8 h2
  text "DIO" at 34.163,41.292 h2
  text "1" at -29.972,39.851 h2 r270
  text "2" at -29.972,37.211 h2 r270
  text "RST" at 26.289,29.1 h2
  text "FET2" at 12.319,28.575 h2
  text "3.3V MCU" at -16.637,27.195 h2
  text "MT1_MCU" at -30.404,25.781 h2 r90
  text "GND" at 36.085,25.527 h2 r270
  text "FET1" at -22.86,23.876 h2
  text "3.3V MCU" at -6.477,22.75 h2
  text "MT2_MCU" at 3.505,14.732 h2 r90
  text "MT1.1" at -31.242,13.081 h2
  text "MT2.1" at -0.254,10.668 h2
  text "MT1.2" at -8.128,8.382 h2
  text "MT2.2" at 27.305,8.382 h2
  text "EN1.1" at -35.814,5.715 h2
  text "EN1.2" at -35.814,3.937 h2
  text "MT1.1" at -24.257,3.429 h1.5 r270
  text "3.3V" at -21.722,3.429 h1.5 r270
  text "EN1.1" at -19.175,3.429 h1.5 r270
  text "EN1.2" at -16.639,3.429 h1.5 r270
  text "GND" at -14.104,3.429 h1.5 r270
  text "MT1.2" at -11.557,3.429 h1.5 r270
  text "MT2.1" at 11.176,3.429 h1.5 r270
  text "3.3V" at 13.711,3.429 h1.5 r270
  text "EN2.1" at 16.258,3.429 h1.5 r270
  text "EN2.2" at 18.794,3.429 h1.5 r270
  text "GND" at 21.329,3.429 h1.5 r270
  text "MT2.2" at 23.876,3.429 h1.5 r270
  text "EN2.1" at 4.445,2.413 h2
  text "EN2.2" at 4.445,0.889 h2
Bottom Overlay:
  text "BAT+" at 33.147,88.138 h4
  text "BAT-" at 33.147,1.651 h4